# Altium PCB AAS_module_rev1_2.PcbDoc (part 1 of 2) (continued)
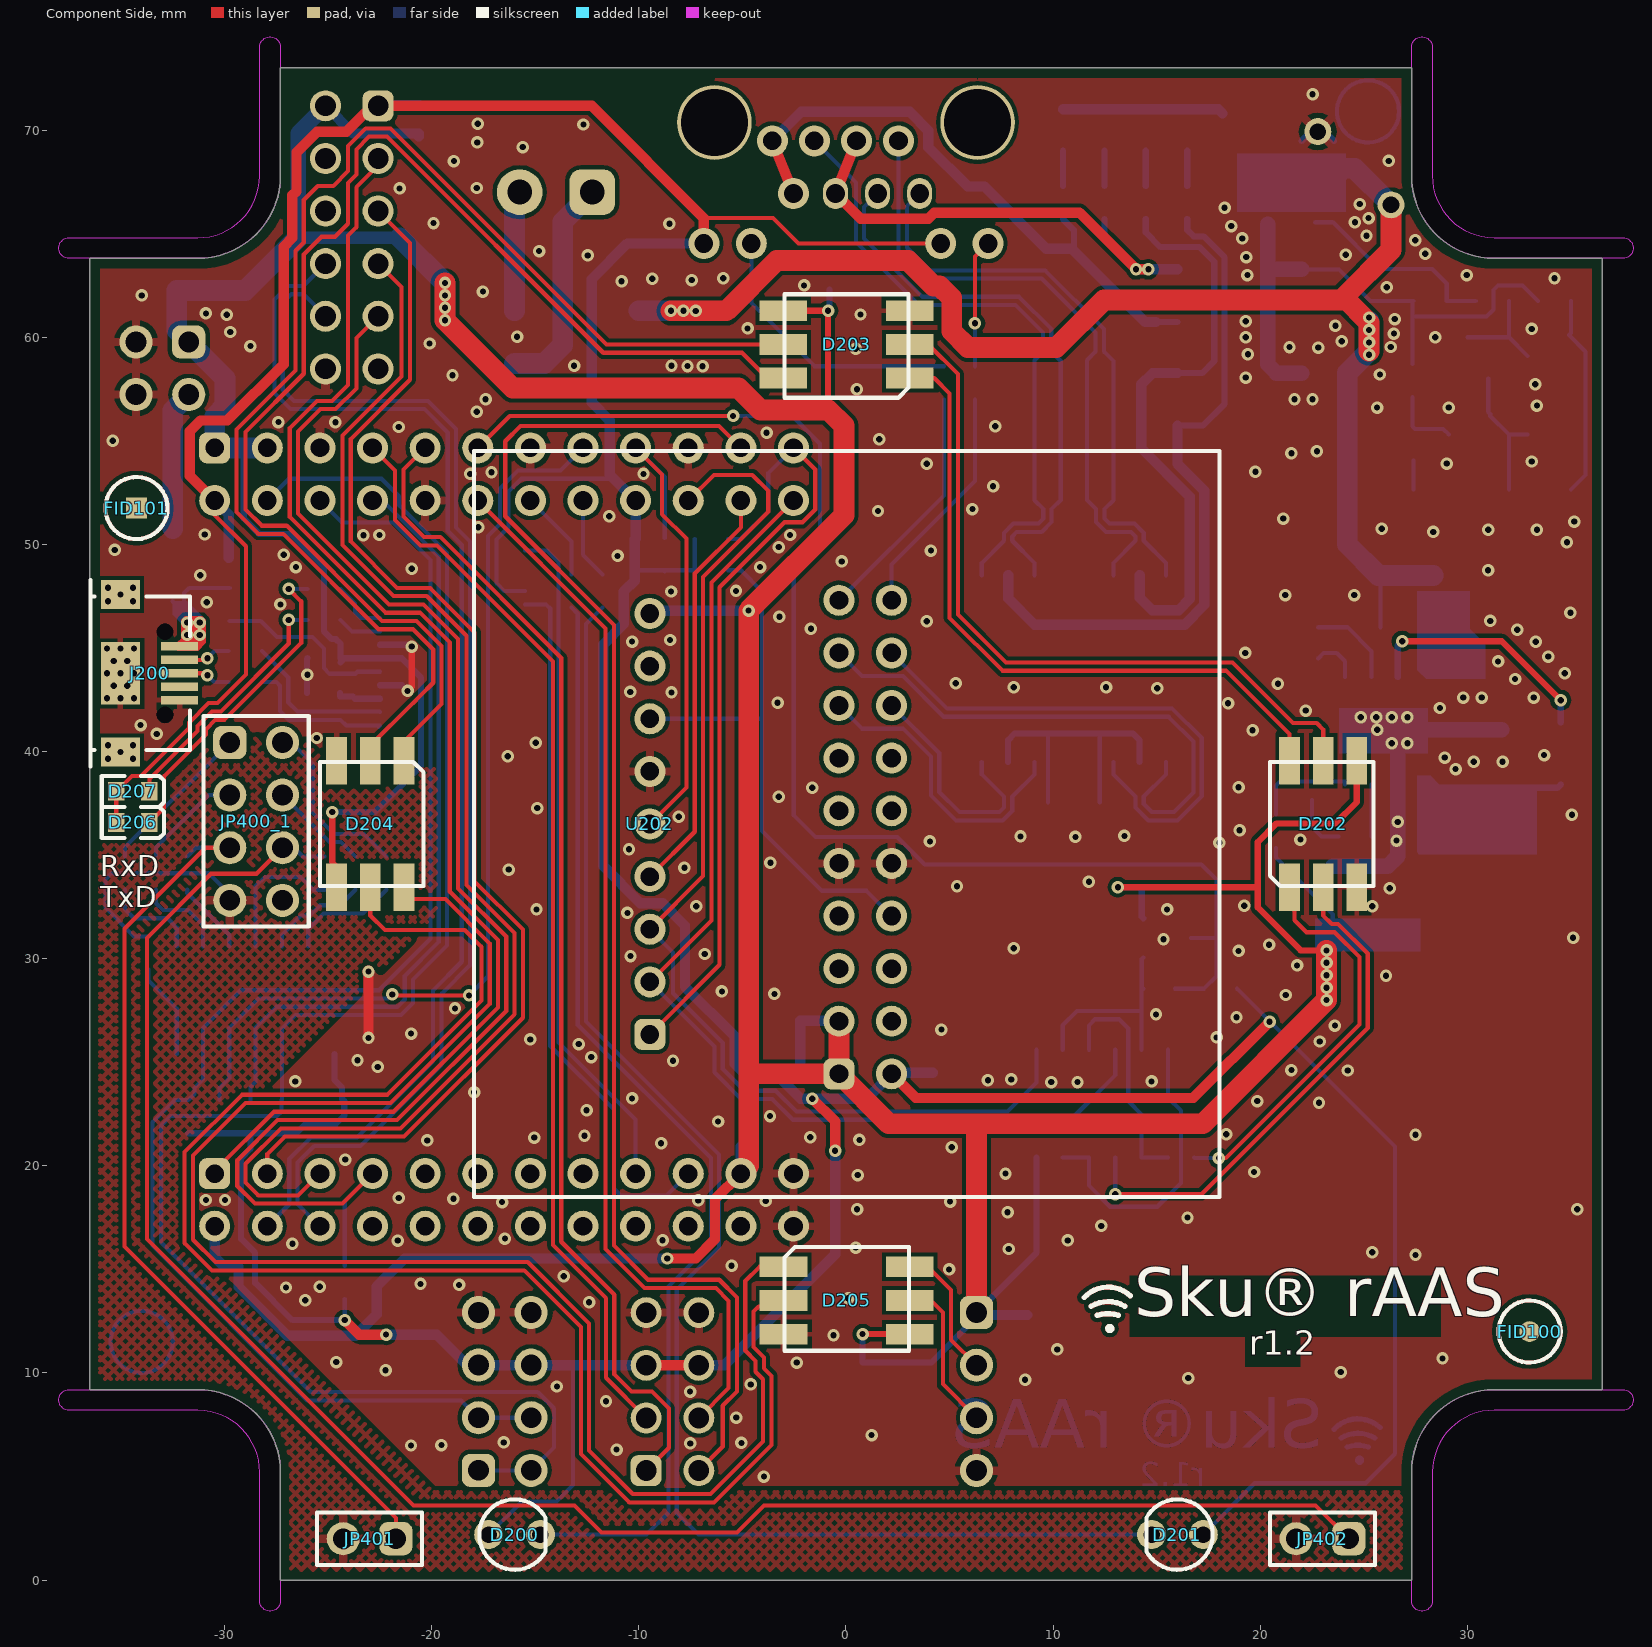
[diagram p0: Component Side view]
## Classes and differential pairs
component class Designator: C400 JP400_1 JP401 JP402 R404 R405 R406 R407 R408 R409 R410 U400
net class POE: NetC301_2 NetC302_2 NetC303_2 NetC304_2 NetC305_1 "PAIR 1-2" "PAIR 3-6" "PAIR 4-5" "PAIR 7-8"
component class U_AAS_module_Power-rev1_2: C300 C301 C302 C303 C304 C305 C306 C307 C308 C311 C312 C313 C314 C315 C316 C317 C318 C319 C320 C322 C323 D300 D302 D303 D304 D306 D315 D316 J300 J301 L300 Q300 Q301 Q302 R300 R301 R302 R303 R304 R305 R306 R307 R308 R309 R310 R311 R312 R313 R314 R315 R316 R317 R318 R319 TR300 U300
component class U_AAS_module_MCU-rev1_2: C200 C201 C202 C203 C204 C205 C206 C207 C208 C210 C211 C212 C213 C214 C216 C217 D200 D201 D202 D203 D204 D205 D206 D207 D208 J200 JP200 JP201 JP202 JP203 JP204 R200 R201 R202 R203 R204 R205 R206 R207 R208 R209 R210 R211 R212 R213 R214 R215 R216 R217 U200 U201 U202 U203 U204
component class AAS_module_TOP-rev1_2: FID100 FID101 FID102 FID103
differential pair TX: +TX_P -TX_N
differential pair RX: +RX_P -RX_N
differential pair RXin: +RXin_P -RXin_N
differential pair TXin: +TXin_P -TXin_N

## Components (designator, comment, footprint, x,y, rotation, side; value= is the part's Value field where it differs from the comment)
C200 "100n" C0603 10,18 r0 bottom
C201 "1u" C0603 8.75,12 r270 bottom
C202 "100n" C0603 -19.8,71.2 r0 bottom
C203 "1u" C0603 -5.75,46 r270 bottom
C204 "100n" C0603 -7.25,46 r270 bottom
C205 "1u" C0603 -21.25,12.65 r90 bottom
C206 "100n" C0603 -19.75,12.65 r90 bottom
C207 "100n" C0603 0,62.3 r0 bottom
C208 "100n" C0603 -23.675,37.85 r90 bottom
C210 "100n" C0603 0,10.5 r180 bottom
C211 "100n" C0603 15.075,33.45 r0 bottom
C212 "100n" C0603 -19.825,69.7 r0 bottom
C213 "100n" C0603 -11.75,11.175 r90 bottom
C214 "47u/6,3V" C1206 -33.8,62.25 r180 bottom
C216 "100n" C0603 -25.2,44.5 r0 bottom
C217 "100n" C0603 -25.225,42.825 r0 bottom
C300 "220u/63V" CAP_D10xL20_P5_HR 24.543,68.157 r225 bottom
C301 "1n/100V" C0603 16.475,66.5 r90 bottom
C302 "1n/100V" C0603 14.475,66.5 r90 bottom
C303 "1n/100V" C0603 10.475,66.5 r90 bottom
C304 "1n/100V" C0603 12.475,66.5 r90 bottom
C305 "1n/2kV" C1206 19.675,70.8 r0 bottom
C306 "100n/100V" C1206 34.5,39.9 r270 bottom
C307 "10u/63V" C_ALU_D6x5.8 31,48.5 r90 bottom
C308 "100n/100V" C1206 30,42.5 r270 bottom
C311 "100n" C0603 -3.8,21.4 r0 bottom
C312 "47u/6,3V" C1206 23.5,32.95 r90 bottom
C313 "47u/6,3V" C1206 25.9,32.95 r90 bottom
C314 "6n8" C0805 22.5,38.65 r270 bottom
C315 "100n" C0603 -28.525,15.125 r0 bottom
C316 "100n" C0603 -3,25.5 r180 bottom
C317 "100n" C0603 -3,27 r180 bottom
C318 "100n" C0603 -11,50.25 r180 bottom
C319 "100n" C0603 -29,49.35 r0 bottom
C320 "100n" C0603 5,24.5 r0 bottom
C322 "100n" C0603 9.75,36.75 r90 bottom
C323 "100n" C0603 12.25,36.75 r90 bottom
C400 "100n" C0603 -25.025,23.125 r180 bottom
D200 "LED_3mm" LED_THT_3MM_P2.5_GREEN -16,2.2 r0 top locked
D201 "LED_3mm" LED_THT_3MM_P2.5_GREEN 16,2.2 r180 top
D202 "LED_APA102" APA102 23.035,36.5 r90 top locked
D203 "LED_APA102" APA102 0.025,59.65 r180 top locked
D204 "LED_APA102" APA102 -22.965,36.5 r270 top
D205 "LED_APA102" APA102 0.035,13.5 r0 top locked
D206 "LED_G" LED_0603 -34.425,36.575 r0 top
D207 "LED_Y" LED_0603 -34.425,38.075 r0 top
D208 "SKL310" SOD123 -32.5,49 r90 bottom
D300 "S380" MBS -13,60 r180 bottom
D302 "SLVU2.8-4" SO-8 11,55.5 r90 bottom
D303 "S380" MBS 19,62 r180 bottom
D304 "S380" MBS 19,57 r180 bottom
D306 "SKL310" SOD123 32.25,39.5 r270 bottom
D315 "BZX84A15" SOT-23 30,59 r180 bottom
D316 "BZX84C10" SOT-23 33.9,55.3 r270 bottom
FID100 "FID_CIRCLE" FID-CIRCLE1MM 33,12 r90 top
FID101 "FID_SQUARE" FID-SQUARE1MM -34.25,51.75 r90 top
FID102 "FID_CIRCLE" FID-CIRCLE1MM 25.2,70.9 r90 bottom
FID103 "FID_SQUARE" FID-SQUARE1MM -34,11.5 r90 bottom
J200 "CON_USB_MICRO" "MICRO USB-B SMD" -33.075,43.775 r270 top
J300 "CON_RJ45-RJHSE-3081" RJHSE-3081 0,67.445 r0 bottom locked
J301 "ULO-TB01-15RC/3.5-2P" ULO-TB01-15VC-3.5-2P -14,67 r180 bottom
JP200 "2X6" HDR2x6 -23.855,64.82 r270 bottom
JP201 "1X4" HDR1X4 6.3,9.105 r270 bottom
JP202 "I2C" HDR2X4#1 -16.47,9.11 r90 bottom
JP203 "I2C" HDR2X4#2 -8.375,9.1 r90 bottom
JP204 "PWR_from_USB" HDR2X2A -33,58.5 r270 bottom
JP400_1 "Header_2X4" HDR2X4#1 -28.475,36.625 r270 top
JP401 "1X2" HDR1X2 -23,2 r180 top
JP402 "1X2" HDR1X2 23,2 r180 top
L300 "33uH/1.9A_1264EY-330M=P3" L_MURATA-DG6050C 30.5,33.5 r270 bottom value=1264EY-330M=P3
Q300 "SQ3427AEEV-T1_GE3" SOT-23-6 21.5,66.5 r270 bottom
Q301 "BSS123" SOT-23 30.1,55.3 r270 bottom
Q302 "BC847" SOT-23 33.9,59.098 r270 bottom
R200 "1k" R0603 -25.2,47.85 r180 bottom
R201 "22R" R0603 -29,44.85 r0 bottom
R202 "4k7" R0603 -13.125,47.75 r270 bottom
R203 "4k7" R0603 -11.625,47.75 r270 bottom
R204 "10k" R0603 -6.5,48.75 r180 bottom
R205 "3k3" R0603 -31.75,22.375 r270 bottom
R206 "3k3" R0603 -27.25,22.375 r270 bottom
R207 "0R" R0603 15.075,28.55 r0 bottom
R208 "10k" R0603 -28.75,22.375 r270 bottom
R209 "10k" R0603 -30.25,22.375 r270 bottom
R210 "22R" R0603 -29,43.35 r0 bottom
R211 "4k7" R0603 -29.75,47.1 r270 bottom
R212 "10k" R0603 -28.25,47.1 r90 bottom
R213 "1k" R0603 -25.2,46.35 r180 bottom
R214 "10k" R0603 -24.2,14.375 r270 bottom
R215 "10k" R0603 -6.5,50.25 r180 bottom
R216 "10k" R0603 18.075,28.55 r0 bottom
R217 "10k" R0603 -8.75,49.5 r270 bottom
R300 "75R_1%" R_0805 16.475,70 r270 bottom value=75R
R301 "75R_1%" R_0805 14.475,70 r270 bottom value=75R
R302 "75R_1%" R_0805 10.475,70 r270 bottom value=75R
R303 "75R_1%" R_0805 12.475,70 r270 bottom value=75R
R304 "100k" R0603 25,46 r0 bottom
R305 "3k" R0603 20.75,36.15 r270 bottom
R306 "47k" R0603 22,44.5 r0 bottom
R307 "100k" R0603 22,46 r0 bottom
R308 "750R" R0603 20.75,39.15 r270 bottom
R309 "10k" R0603 24.575,35.9 r0 bottom
R310 "10k" R0603 28.2,61.748 r180 bottom
R311 "220k" R0603 34.2,61.748 r180 bottom
R312 "33k" R0603 31.2,61.748 r180 bottom
R313 "1k" R0603 4.725,57.8 r270 bottom
R314 "1k" R0603 6.225,57.8 r270 bottom
R315 "750" R0603 27.35,57.898 r90 bottom
R316 "12k" R0603 27.35,54.898 r90 bottom
R317 "12k" R0603 28.2,52.648 r180 bottom
R318 "220k" R0603 31.2,52.65 r0 bottom
R319 "4k7" R0603 34.2,52.65 r0 bottom
R404 "10k" R0603 -33.675,30.275 r90 bottom
R405 "10k" R0603 -34.8,34.125 r90 bottom
R406 "10k" R0603 -33.3,34.125 r90 bottom
R407 "10k" R0603 -31.8,34.125 r90 bottom
R408 "10k" R0603 -25.175,34.125 r90 bottom
R409 "10k" R0603 -23.675,34.125 r90 bottom
R410 "10k" R0603 -22.175,34.125 r90 bottom
TR300 "XFVOIP-05C" XFVOIP-05 11,44 r90 bottom
U200 "NanoPi_NEO_Core" NanoPi_NEO_Core_right -16.002,35.87 r0 bottom locked
U201 "74HC00" SO-14 13,23 r270 bottom
U202 "MFRC522_RobotDyn" MFRC522_ROBOTDYN 0.035,36.5 r0 top locked
U203 "74LVC1G04GV" SOT-25 15.5,31 r270 bottom
U204 "FT232RL" SSOP-28 -19,45.475 r180 bottom
U300 "BD9G341AEFJ" SO-8_EP 26,41 r90 bottom
U400 "AT42QT1070-SSU" SO-14 -28.5,28 r90 bottom

## Footprints (in the part's own frame and the unit in brackets; to place one, negate y for a bottom-side part, rotate by r counter-clockwise, add the part's x,y. Pads: shape width x height; smd on the part's side, far side on the other; paste and mask are expansions set on the pad)
APA102 [mm]
  rect 2.3x1 smd: 1(-3.05,1.625) 2(-3.05,0) 3(-3.05,-1.625) 4(3.05,-1.625) 5(3.05,0) 6(3.05,1.625)
  silkscreen extent -3,-2.42 3,2.58, body extent -2.75,-2.47 2.75,2.53, height 1.53
C0603 [mm]
  rect 0.8x0.9 smd: 1(-0.8,0) 2(0.8,0)
  silkscreen extent -1.5,-0.75 1.5,0.75, body extent -0.85,-0.45 0.85,0.45, height 0.9
C0805 [mm]
  rect 1.1x1.3 smd: 1(-1,0) 2(1,0)
  silkscreen extent -2,-1 2,1, body extent -1.05,-0.67 1.05,0.67, height 0.75
C1206 [mm]
  rect 1x1.7 smd: 1(-1.5,0) 2(1.5,0)
  silkscreen extent -2.2,-1.2 2.2,1.2, body extent -1.65,-0.85 1.65,0.85, height 0.95
C_ALU_D6x5.8 [mm] "Aluminium D6mm H5.8mm"
  rect 1.6x3.5 smd: 1(0,-2.65) 2(0,2.65)
  silkscreen extent -3.3,-3.3 3.3,3.3, body extent -3.3,-3.9 3.3,3.9, height 5.5
CAP_D10xL20_P5_HR [mm] "Capacitor radial - diameter 10mm, length 20mm, pitch 5mm, Horizontal right"
  round 1.3 hole 0.8: 1(0,-2.5) 2(0,2.5)
  silkscreen extent 0,-5 21.5,5
FID-CIRCLE1MM [mm]
  round 1 smd: 0(0,0)
  Component Side circle w0.2: c0,0 r1.5
  silkscreen extent -1.5,-1.5 1.5,1.5
FID-SQUARE1MM [mm]
  rect 1x1 smd: 0(0,0)
  Component Side circle w0.2: c0,0 r1.5
  silkscreen extent -1.5,-1.5 1.5,1.5
HDR1X2 [mm] "Header 1x2"
  rrect50% 1.6x1.6 hole 1: 1(-1.27,0)
  round 1.6 hole 1: 2(1.27,0)
  silkscreen extent -2.54,-1.27 2.54,1.27, body extent -2.54,-1.27 2.54,1.27, height 9.5
HDR1X4 [mm] "Header 1x4"
  rrect50% 1.6x1.6 hole 1: 1(-3.81,0)
  round 1.6 hole 1: 2(-1.27,0) 3(1.27,0) 4(3.81,0)
  silkscreen extent -5.08,-1.27 5.08,1.27, body extent -5.08,-1.27 5.08,1.27, height 9.5
HDR2X2A [mm] "Header 2x2"
  rrect50% 1.6x1.6 hole 1: 1(-1.27,-1.27)
  round 1.6 hole 1: 2(-1.27,1.27) 3(1.27,-1.27) 4(1.27,1.27)
  silkscreen extent -2.54,-2.54 2.54,2.54, body extent -2.54,-2.54 2.54,2.54, height 9.5
HDR2X4#1 [mm] "Header 2x4"
  rrect50% 1.6x1.6 hole 1: 1(-3.81,-1.27)
  round 1.6 hole 1: 2(-3.81,1.27) 3(-1.27,-1.27) 4(-1.27,1.27) 5(1.27,-1.27) 6(1.27,1.27) 7(3.81,-1.27) 8(3.81,1.27)
  silkscreen extent -5.08,-2.54 5.08,2.54, body extent -5.08,-2.54 5.08,2.54, height 9.5
HDR2X4#2 [mm] "Header 2x4"
  rrect50% 1.5x1.5 hole 1: 1(-3.81,-1.27)
  round 1.5 hole 1: 2(-3.81,1.27) 3(-1.27,-1.27) 4(-1.27,1.27) 5(1.27,-1.27) 6(1.27,1.27) 7(3.81,-1.27) 8(3.81,1.27)
  silkscreen extent -5.08,-2.54 5.08,2.54, body extent -5.08,-2.54 5.08,2.54, height 9.5
HDR2x6 [mm] "Header 2x6"
  rrect50% 1.5x1.5 hole 1: 1(-6.35,-1.27)
  round 1.5 hole 1: 2(-6.35,1.27) 3(-3.81,-1.27) 4(-3.81,1.27) 5(-1.27,-1.27) 6(-1.27,1.27) 7(1.27,-1.27) 8(1.27,1.27) 9(3.81,-1.27) 10(3.81,1.27) 11(6.35,-1.27) 12(6.35,1.27)
  silkscreen extent -7.62,-2.54 7.62,2.54, body extent -7.62,-2.54 7.62,2.54, height 9.5
L_MURATA-DG6050C [mm] "SMD Inductor, 2-Leads, Body 6.3 x 6.3mm MURATA-DG6050C series"
  rect 1.6x5.7 smd: 1(-2.35,0) 2(2.35,0)
  silkscreen extent -3.4,-3.4 3.4,3.4, body extent -3.15,-3 3.15,3, height 4.5
LED_0603 [mm]
  rect 0.8x0.9 smd: A(-0.8,0) K(0.8,0)
  silkscreen extent -1.5,-0.75 1.5,0.75, body extent -0.8,-0.4 0.81,0.4, height 0.73
LED_THT_3MM_P2.5_GREEN [mm]
  round 1.4 hole 0.8: A(-1.25,0) K(1.25,0)
  silkscreen extent -1.7,-1.7 1.5,1.7, body extent -2,-2 1.5,2, height 5.21
MBS [mm]
  rect 2x1.1 smd: 1(-3,1.27) 2(-3,-1.27) 3(3,-1.27) 4(3,1.27)
  silkscreen extent -1.8,-2.4 1.8,2.4, body extent -3.52,-2.47 3.52,2.48, height 2.91
MFRC522_ROBOTDYN [mm]
  rrect50% 1.5x1.5 hole 0.9: 1(-9.5,-10.16)
  round 1.5 hole 0.9: 2(-9.5,-7.62) 3(-9.5,-5.08) 4(-9.5,-2.54) 5(-9.5,0) 6(-9.5,2.54) 7(-9.5,5.08) 8(-9.5,7.62) 9(-9.5,10.16)
  silkscreen extent -18,-18 18,18, body extent -18,-18 18,18, height 2
"MICRO USB-B SMD" [mm] "Micro USB-B SMD pads"
  round 0 hole 0.8 unplated: 0(-2,0.2) 0(2,0.2)
  rect 0.4x1.8 smd: 1(-1.3,0.9) 2(-0.65,0.9) 3(0,0.9) 4(0.65,0.9) 5(1.3,0.9)
  rect 1.4x1.9 smd: SH(-3.8,-1.95) SH(3.8,-1.95)
  rect 3x1.9 smd: SH(0,-1.95)
  silkscreen extent -4.5,-3.4 4.5,1.4, body extent -3.99,-4.05 3.99,1.38, height 2.74
NanoPi_NEO_Core_right [mm]
  round 1.5 hole 0.9: 1(-14.472,-16.245) 3(-11.932,-16.245) 4(-11.932,-18.785) 5(-9.392,-16.245) 6(-9.392,-18.785) 7(-6.852,-16.245) 8(-6.852,-18.785) 9(-4.312,-16.245) 10(-4.312,-18.785) 11(-1.772,-16.245) 12(-1.772,-18.785) 13(0.768,-16.245) 14(0.768,-18.785) 15(3.308,-16.245) 16(3.308,-18.785) 17(5.848,-16.245) 18(5.848,-18.785) 19(8.388,-16.245) 20(8.388,-18.785) 21(10.928,-16.245) 22(10.928,-18.785) 23(13.468,-16.245) 24(13.468,-18.785) 25(-14.472,18.785) 27(-11.932,18.785) 28(-11.932,16.245) 29(-9.392,18.785) 30(-9.392,16.245) 31(-6.852,18.785) 32(-6.852,16.245) 33(-4.312,18.785) 34(-4.312,16.245) 35(-1.772,18.785) 36(-1.772,16.245) 37(0.768,18.785) 38(0.768,16.245) 39(3.308,18.785) 40(3.308,16.245) 41(5.848,18.785) 42(5.848,16.245) 43(8.388,18.785) 44(8.388,16.245) 45(10.928,18.785) 46(10.928,16.245) 47(13.468,18.785) 48(13.468,16.245) 49(15.663,-11.43) 50(18.203,-11.43) 51(15.663,-8.89) 52(18.203,-8.89) 53(15.663,-6.35) 54(18.203,-6.35) 55(15.663,-3.81) 56(18.203,-3.81) 57(15.663,-1.27) 58(18.203,-1.27) 59(15.663,1.27) 60(18.203,1.27) 61(15.663,3.81) 62(18.203,3.81) 63(15.663,6.35) 64(18.203,6.35) 65(15.663,8.89) 66(18.203,8.89) 68(18.203,11.43)
  rrect50% 1.5x1.5 hole 0.9: 2(-14.472,-18.785) 26(-14.472,16.245) 67(15.663,11.43)
  silkscreen extent -20.5,-19.98 19.5,20.01, body extent -20.5,-19.98 19.5,20.01, height 5.25
R0603 [mm]
  rect 0.8x0.9 smd: 1(-0.8,0) 2(0.8,0)
  silkscreen extent -1.5,-0.75 1.5,0.75, body extent -0.85,-0.45 0.85,0.45, height 0.55
R_0805 [mm]
  rect 1.1x1.3 smd: 1(-1,0) 2(1,0)
  silkscreen extent -2,-1 2,1, body extent -1.05,-0.67 1.05,0.68, height 0.6
RJHSE-3081 [mm]
  oval 1.2x1.5 hole 0.9: 1(3.555,0.51) 3(1.525,0.51) 5(-0.505,0.51)
  round 1.5 hole 0.9: 2(2.535,-2.03) 4(0.505,-2.03) 6(-1.525,-2.03) 7(-2.535,0.51) 8(-3.555,-2.03) 9(6.86,2.92) 10(4.57,2.92) 11(-4.57,2.92) 12(-6.86,2.92)
  round 3.6 hole 3.25: SH(-6.35,-2.92) SH(6.35,-2.92)
  silkscreen extent -7.87,-5.08 7.88,7.75, body extent -9.27,-5.07 9.02,7.76, height 16.49
SO-8 [mm]
  rect 2.2x0.65 smd: 1(-2.6,1.905)
  oval 2.2x0.65 smd: 2(-2.6,0.635) 3(-2.6,-0.635) 4(-2.6,-1.905) 5(2.6,-1.905) 6(2.6,-0.635) 7(2.6,0.635) 8(2.6,1.905)
  silkscreen extent -1.2,-2.5 1.2,2.5, body extent -3.04,-2.5 3.04,2.5, height 1.75
SO-8_EP [mm]
  rect 2.2x3.5 smd: 0(0,0)
  rect 2.2x0.65 smd: 1(-2.6,1.905)
  oval 2.2x0.65 smd: 2(-2.6,0.635) 3(-2.6,-0.635) 4(-2.6,-1.905) 5(2.6,-1.905) 6(2.6,-0.635) 7(2.6,0.635) 8(2.6,1.905)
  silkscreen extent -1.2,-2.5 1.2,2.5, body extent -3.04,-2.5 3.04,2.5, height 1.75
SO-14 [mm]
  rect 2.2x0.65 smd: 1(-2.6,3.81)
  oval 2.2x0.65 smd: 2(-2.6,2.54) 3(-2.6,1.27) 4(-2.6,0) 5(-2.6,-1.27) 6(-2.6,-2.54) 7(-2.6,-3.81) 8(2.6,-3.81) 9(2.6,-2.54) 10(2.6,-1.27) 11(2.6,0) 12(2.6,1.27) 13(2.6,2.54) 14(2.6,3.81)
  silkscreen extent -1.2,-4.41 1.2,4.41, body extent -3.04,-4.38 3.04,4.37, height 1.75
SOD123 [mm]
  rect 1.3x1.5 smd: A(-1.75,0) K(1.75,0)
  silkscreen extent -2.6,-1.05 2.6,1.05, body extent -1.95,-0.9 1.95,0.9, height 1.18
SOT-23 [mm]
  rect 1x1 smd: 1(-1,-1) 2(1,-1)
  rect 1x1.2 smd: 3(0,1)
  silkscreen extent -1.9,-1.8 1.9,2, body extent -1.5,-1.2 1.5,1.3, height 1.1
SOT-23-6 [mm]
  rect 0.6x1.2 smd: 1(-0.95,-1.15) 2(0,-1.15) 3(0.95,-1.15) 4(0.95,1.15) 5(0,1.15) 6(-0.95,1.15)
  silkscreen extent -1.9,-2.1 1.9,2.1, body extent -1.5,-1.42 1.5,1.42, height 1.2
SOT-25 [mm]
  rect 0.6x1.2 smd: 1(-0.95,-1.15) 2(0,-1.15) 3(0.95,-1.15) 4(0.95,1.15) 5(-0.95,1.15)
  silkscreen extent -1.7,-1.65 1.7,1.15, body extent -1.5,-1.42 1.5,1.42, height 1.2
SSOP-28 [mm] "SSOP-28 pitch 0.65"
  rect 1.8x0.4 smd: 1(-3.5,4.225)
  oval 1.8x0.4 smd: 2(-3.5,3.575) 3(-3.5,2.925) 4(-3.5,2.275) 5(-3.5,1.625) 6(-3.5,0.975) 7(-3.5,0.325) 8(-3.5,-0.325) 9(-3.5,-0.975) 10(-3.5,-1.625) 11(-3.5,-2.275) 12(-3.5,-2.925) 13(-3.5,-3.575) 14(-3.5,-4.225) 15(3.5,-4.225) 16(3.5,-3.575) 17(3.5,-2.925) 18(3.5,-2.275) 19(3.5,-1.625) 20(3.5,-0.975) 21(3.5,-0.325) 22(3.5,0.325) 23(3.5,0.975) 24(3.5,1.625) 25(3.5,2.275) 26(3.5,2.925) 27(3.5,3.575) 28(3.5,4.225)
  silkscreen extent -2.25,-5.25 2.25,5.25, body extent -3.88,-5.17 3.88,5.16, height 2.15
ULO-TB01-15VC-3.5-2P [mm]
  rrect50% 2.2x2.2 hole 1.2: 1(-1.75,0)
  round 2.2 hole 1.2: 2(1.75,0)
  silkscreen extent -3.9,-3.2 3.9,4.1, body extent -3.9,-6.45 3.9,4.7, height 18.15
XFVOIP-05 [mm]
  rect 1.78x0.62 smd: 1(-4.51,4.445)
  oval 1.78x0.62 smd: 2(-4.51,3.175) 3(-4.51,1.905) 4(-4.51,0.635) 5(-4.51,-0.635) 6(-4.51,-1.905) 7(-4.51,-3.175) 8(-4.51,-4.445) 9(4.51,-4.445) 10(4.51,-3.175) 11(4.51,-1.905) 12(4.51,-0.635) 13(4.51,0.635) 14(4.51,1.905) 15(4.51,3.175) 16(4.51,4.445)
  silkscreen extent -5.18,-6.4 3.3,6.4, body extent -4.7,-6.35 4.7,6.35, height 6.36

## Part data
C200 C201 C202 C203 C204 C205 C206 C207 C208 C210 C211 C212 C213 C216 C217 C301 C302 C303 C304 C311 C315 C316 C317 C318 C319 C320 C322 C323 C400: library part C_0603, "Capacitor SMD 0603"
C214 C305 C306 C308 C312 C313: library part C_1206, "Capacitor SMD 1206"
C300: library part C_ELYT, "Electrolytic Capacitor", TME=EGT477M1JI20RRSHP
C307: library part C_ALU, "Electrolytic Aluminium Capacitor"
C314: library part C_0805, "Capacitor SMD 0805"
D200 D201: "LED 3mm"
D202 D203 D204 D205: "Intelligent control LED integrated light source"
D206 D207: library part LED_0603, "LED SMD 0603"
D208 D306: library part 1N4007, "Diode"
D300 D303 D304: library part _DIODE_BRIDGE_RECTIFIER, "Diode rectifier"
D302: "EPD TVS Diode Array  For ESD and Latch-Up Protection"
D315 D316: library part BZX84CXXX, "Zener diode"
J301: library part CON_ULO-TB01-15RC/3.5-2P, "Connector 15EDG pitch 3.5mm Right Angle"
JP200: library part "Header 2X6", "Header, 12-Pin, Dual row"
JP201: library part "Header 1X4", "Header, 4-Pin, Single row"
JP202 JP203: library part "Header 2X4", "Header, 8-Pin, Dual row"
JP204: library part "Header 2X2", "Header, 6-Pin, Dual row"
JP400_1: library part 19, "Header dual row", ABRA number=120430, ID=19, Technology=THT, UR=0,1
JP401 JP402: library part "Header 1X2", "Header, 2-Pin, Single row"
L300: library part 44, Induction=33uH/1.9A, ABRA number=94369, ID=44, Supplier 1=https://cz.mouser.com/ProductDetail/Murata-Electronics/1264EY-330M%3dP3?qs=sGAEpiMZZMsg%252by3WlYCkU588IWvyRtFzXhS%252bh6Vmel8%3d, Technology=SMT, UR=1
Q300: library part 38, HelpURL=https://cz.mouser.com/ProductDetail/Vishay-Siliconix/SQ3427AEEV-T1_GE3?qs=sGAEpiMZZMshyDBzk1%2FWi7D7EaJfF%252Bz4Xfx7fw3JA1J5zUvCnpY8Yg%3D%3D, ID=38, Technology=SMT, UR=1
Q301: library part BSS138, "N-Channel MOSFET"
Q302: "NPN Transistor"
R200 R201 R202 R203 R204 R205 R206 R207 R208 R209 R210 R211 R212 R213 R214 R215 R216 R217 R304 R305 R306 R307 R308 R309 R310 R311 R312 R313 R314 R315 R316 R317 R318 R319 R404 R405 R406 R407 R408 R409 R410: library part R_0603, "Resistor SMD 0603"
R300 R301 R302 R303: library part 101, Tolerance=1, ABRA number=120149, ABS=75, ID=101, Technology=SMT, UR=1
TR300: library part XFVOIP-05, "LAN magnetics with filter", LCSC=HY601742
U201: "Quad 2-input NAND gate"
U203: library part 8, "Single inverter", ABRA number=92285, ID=8, Technology=SMT
U204: "USB Interface IC USB to Serial UART Enhanced IC"
U300: "12V to 76V input voltage range 3A output current"
U400: "Seven-channel QTouch® Touch Sensor IC"
U202: Part Field 2=CORE, Part Field 3=BOTTOM, Part Field 4=AUTOMAT

## Via types
v1: diameter 0.6, hole 0.3, Component Side to Bottom Layer, tented both sides, 376 vias

## Nets (pads, with @x,y where several pads share a name; then routed paths per layer and width w, separated by ;. In a path a pad name is that pad's centre, name@x,y a point inside that pad or via, vN(x,y) a via of type N, cw(c..) or ccw(c..) an arc to the next point about the centre after c; other vN are vias at no path point)
0: JP400_1.4 R409.2 | length 4.8
  Bottom Layer w0.2: JP400_1.4@-27.205,37.895 -24.935,35.625 -24.375,35.625 R409.2@-23.675,34.925
1: JP400_1.3 R406.2 | length 5
  Bottom Layer w0.2: R406.2@-33.3,34.925 -33.3,35.357 -30.762,37.895 JP400_1.3@-29.745,37.895
2: JP400_1.2 R410.2 | length 8.7
  Bottom Layer w0.2: JP400_1.2@-27.205,40.435 -26.76,40.435 -25.725,39.4 -25.725,37.025 -24.725,36.025 -23.275,36.025 R410.2@-22.175,34.925
3: JP400_1.1 R405.2 | length 7.6
  Bottom Layer w0.2: R405.2@-34.8,34.925 -34.8,35.38 JP400_1.1@-29.745,40.435
3V3: C202.1 C205.1 C206.1 C213.1 C318.1 C319.1 C320.1 C400.1 D200.A D201.A D206.A D207.A J300.10 J300.12 JP200.1 JP202.5 JP202.6 JP203.5 JP203.6 R204.2 R205.2 R206.2 R208.2 R209.2 R214.2 R215.2 R216.2 R217.2 U200.1 U200.17 U200.68 U204.4 U400.1 | length 283.2
  Component Side w0.2: D206.A@-35.225,36.575 D207.A@-35.225,38.075 -34.475,38.825 -34.034,38.825 -31.7,41.159 -31.7,41.401 -30.766,42.335 -30.341,42.335 -28.958,43.718 -28.958,49.906 -30.475,51.424 U200.1@-30.475,52.115 ; -6.86,65.75 -3.525,65.75 -2.3,64.525 J300.10@4.57,64.525
  Component Side w0.5: U200.1@-30.475,52.115 -31.675,53.315 -31.675,55.152 -31.675,55.453 -31.148,55.98 -29.858,55.98 -27.15,58.688 -27.15,64.375 -26.725,64.8 -26.725,66.853 -26.525,67.053 -26.525,68.927 -25.527,69.925 -24.118,69.925 -22.873,71.17 JP200.1@-22.585,71.17 -12.28,71.17 -6.86,65.75 J300.12@-6.86,64.525 ; v1(-24.2,12.55) -23.5,11.85 v1(-22.2,11.85) ; JP203.5@-9.645,10.37 JP203.6@-7.105,10.37 ; v1(-1.625,23.24) -0.525,22.14 v1(-0.525,20.725) ; U200.68@2.2,24.44 3.365,23.275 16.77,23.275 v1(20.445,26.95)
  Bottom Layer w0.2: v1(-24.2,12.55) R214.2@-24.2,13.575 ; D200.A@-17.25,2.2 -15.65,3.8 -13.975,3.8 -13.175,4.6 -13.175,10.37 ; U204.4@-15.5,47.75 -16.5,47.75 -16.875,48.125 -16.875,50.234 -16.285,50.824 -16.285,52.55 -15.67,53.165 -11.205,53.165 ; -10.2,48.75 R217.2@-8.7,48.75 ; C318.1@-10.2,50.25 C318.1@-10.155,50.295 ; R217.2@-8.75,48.7 R217.2@-8.7,48.75 ; R215.2@-7.3,50.25 R204.2@-7.3,48.75 R217.2@-8.7,48.75 ; D201.A@17.25,2.2 19.725,4.675 25.075,4.675 26.5,6.1 26.5,20.925 R216.2@18.875,28.55
  Bottom Layer w0.3: R205.2@-31.75,21.575 R208.2@-28.75,21.575 ; U400.1@-24.69,25.4 -24.69,24.14 -24.325,23.775 -24.325,23.225 C400.1@-24.225,23.125 -24.225,22.425 -24.65,22 -26.109,22 -26.534,21.575 R206.2@-27.25,21.575 R208.2@-28.75,21.575 ; v1(-24.2,12.55) -26.725,12.55 -28.525,14.35 -28.525,15.8 -29.2,16.475 -29.2,20.375 -28.75,20.825 R208.2@-28.75,21.575
  Bottom Layer w0.5: U200.1@-30.475,52.115 -29.8,51.44 C319.1@-29.8,49.35 ; JP200.1@-22.555,71.2 C202.1@-20.6,71.2 ; v1(-22.2,11.85) C205.1@-21.25,11.85 C206.1@-19.75,11.85 -18.28,10.38 JP202.5@-17.74,10.38 -17.73,10.37 -13.175,10.37 JP203.5@-9.645,10.37 ; C318.1@-10.2,50.25 -10.2,48.75 -10.2,48.25 -10.725,47.725 -10.725,46.156 -11.725,45.156 -11.725,34.475 -9.925,32.675 -8.85,32.675 -7.775,31.6 -7.775,28.65 -5.375,26.25 -5.375,24.925 -4.675,24.225 -3.175,24.225 -2.19,23.24 v1(-1.625,23.24) 1,23.24 2.26,24.5 C320.1@4.2,24.5 ; C318.1@-10.155,50.295 U200.17@-10.155,52.115 -11.205,53.165 -11.4,53.36 -11.4,55.975 -12.275,56.85 -12.275,62.8 -10.55,64.525 J300.12@-6.86,64.525 ; JP203.6@-7.105,10.37 -5.88,10.37 -0.525,15.725 v1(-0.525,20.725)
4: JP400_1.5 JP401.1 R407.2 | length 43.8
  Component Side w0.2: JP400_1.5@-29.745,35.355 -30.912,35.355 -34.825,31.442 -34.825,16.098 -21.73,3.003 JP401.1@-21.73,2
  Bottom Layer w0.2: R407.2@-31.8,34.925 -31.37,35.355 JP400_1.5@-29.745,35.355
5: JP400_1.6 JP402.1 R408.2 | length 90.6
  Component Side w0.2: JP400_1.6@-26.925,35.625 -28.45,34.1 -30.651,34.1 -33.75,31.001 -33.75,16.467 -20.883,3.6 -13.099,3.6 -11.803,2.305 -5.259,2.305 -3.963,3.6 22.67,3.6 JP402.1@24.27,2
  Bottom Layer w0.2: JP400_1.6@-27.205,35.355 -26.655,35.355 -26.225,34.925 R408.2@-25.175,34.925
5V: C200.1 C201.1 C203.1 C204.1 C207.1 C208.1 C210.1 C211.1 C212.1 C214.1 C216.2 C311.1 C312.1 C313.1 C315.1 C316.1 C317.1 D202.4 D203.4 D204.4 D205.4 JP200.2 JP201.1 JP204.1 L300.2 R305.2 U200.2 U200.4 U200.25 U200.46 U200.65 U200.67 U201.14 U202.9 U203.5 U204.20 | length 282.1
  Component Side w0.3: v1(-24.8,37.075) -24.8,34.637 -24.551,34.389 D204.4@-24.59,34.35 ; D203.4@-2.125,61.275 v1(-0.865,61.275) -0.865,56.5 -0.865,56.49 ; v1(0.8,11.875) D205.4@2.185,11.875 ; v1(13.125,33.45) 19.875,33.45 ; v1(23.2,30.4) 21.95,30.4 19.875,32.475 19.875,33.45 ; D202.4@24.66,38.65 24.66,37.56 23.625,36.525 20.775,36.525 19.875,35.625 19.875,33.45
  Component Side w0.5: v1(-8.625,15.525) -7.25,15.525 -6.325,16.45 -6.325,18.375 U200.46@-5.075,19.625
  Component Side w1: v1(-19.358,62.617) v1(-19.358,62.018) v1(-19.358,61.417) v1(-19.358,60.817) -16.09,57.55 -5.19,57.55 -4.13,56.49 -0.865,56.49 ; U200.46@-5.075,19.625 -4.7,20 -4.7,24.44 ; -0.865,56.5 -0.1,55.735 -0.1,51.4 v1(-4.7,46.8) -4.7,24.44 ; U200.65@-0.34,26.98 U200.67@-0.34,24.44 ; JP201.1@6.3,12.915 6.3,22.025 ; v1(23.2,30.4) v1(23.2,29.8) v1(23.2,29.2) v1(23.2,28.6) v1(23.2,28) 17.225,22.025 6.3,22.025 ; -4.7,24.44 U200.67@-0.34,24.44 ; U200.67@-0.34,24.44 2.075,22.025 6.3,22.025
  Bottom Layer w0.2: R305.2@20.75,35.35 20.75,34.875 23.5,32.125 C312.1@23.5,31.45
  Bottom Layer w0.3: -29.075,54.655 -29.075,51.25 -28.325,50.5 -26.775,50.5 -25.2,48.925 -25.2,45.805 -24.82,45.425 -24.625,45.425 -24.4,45.2 C216.2@-24.4,44.5 ; v1(-24.8,37.075) C208.1@-23.7,37.075 ; C216.2@-24.4,44.3 -24.2,44.5 U204.20@-22.5,44.5 -21.45,44.5 -20.511,43.561 -20.511,39.314 -22.75,37.075 C208.1@-23.7,37.075 ; C208.1@-23.675,37.05 C208.1@-23.7,37.075 ; v1(-0.865,61.275) -0.8,61.34 C207.1@-0.8,62.3 ; v1(0.8,11.875) C210.1@0.8,10.5 4.115,10.5 JP201.1@6.415,12.8 ; JP201.1@6.3,12.915 9.2,15.815 C200.1@9.2,18 9.19,18.01 U201.14@9.19,20.4 ; v1(13.125,33.45) C211.1@14.275,33.45 14.275,32.025 U203.5@14.35,31.95
  Bottom Layer w0.5: U200.25@-30.475,17.085 -30.475,15.575 -30.025,15.125 C315.1@-29.325,15.125 -29.325,14.15 -26.975,11.8 -23.693,11.8 -22.65,12.843 -22.65,14.175 -21.3,15.525 v1(-8.625,15.525) ; JP200.2@-25.125,71.17 -23.785,69.83 -20.625,69.83 C212.1@-20.625,69.7 ; U202.9@-9.465,46.66 -9.325,46.8 C204.1@-7.25,46.8 C203.1@-5.75,46.8 v1(-4.7,46.8) ; U200.46@-5.075,19.625 -5.075,20.925 C311.1@-4.6,21.4 ; U200.67@-0.34,24.44 -1.915,24.44 -2.2,24.725 C316.1@-2.2,25.5 C317.1@-2.2,27 -0.36,27 U200.65@-0.34,26.98 ; JP201.1@6.415,12.8 C201.1@8.75,12.8
  Bottom Layer w0.6: -26.45,64.8 -21.54,64.8
  Bottom Layer w0.75: -26.45,64.8 -26.45,69.845 JP200.2@-25.125,71.17
  Bottom Layer w1: U200.4@-27.935,54.655 -29.075,54.655 U200.2@-30.475,54.655 -30.475,56.175 -29.975,56.675 -29.975,58.015 JP204.1@-31.73,59.77 -32.3,60.34 C214.1@-32.3,62.25 -29,62.25 -26.45,64.8 ; -21.54,64.8 v1(-19.358,62.617) v1(-19.358,62.018) v1(-19.358,61.417) v1(-19.358,60.817) ; v1(23.2,28) v1(23.2,28.6) v1(23.2,29.2) v1(23.2,29.8) v1(23.2,30.4)
C\H\A\N\G\E\: R209.1 U200.16 U400.5 | length 45.9
  Component Side w0.2: v1(-21.9,28.275) -21.85,28.225 v1(-18.2,28.225)
  Bottom Layer w0.2: R209.1@-30.25,23.175 -30.25,23.765 -29.77,24.245 U400.5@-29.77,25.4 -29.77,26.654 -28.349,28.075 -22.1,28.075 v1(-21.9,28.275) ; v1(-18.2,28.225) -17.275,29.15 -17.275,50.4 -16.7,50.975 -16.7,52.701 -15.836,53.565 -13.785,53.565 U200.16@-12.695,54.655
G: JP400_1.7 JP401.2 JP402.2 R404.2 | length 10.8
  Bottom Layer w0.2: R404.2@-33.675,31.075 -34.365,31.075 -35.75,32.46 -35.75,33.825 -35.45,34.125 -30.778,34.125 -29.745,33.092 JP400_1.7@-29.745,32.815